# KiCad board SparkFun_Thing_Plus_ESP32-S3_panelized.kicad_pcb (continued)
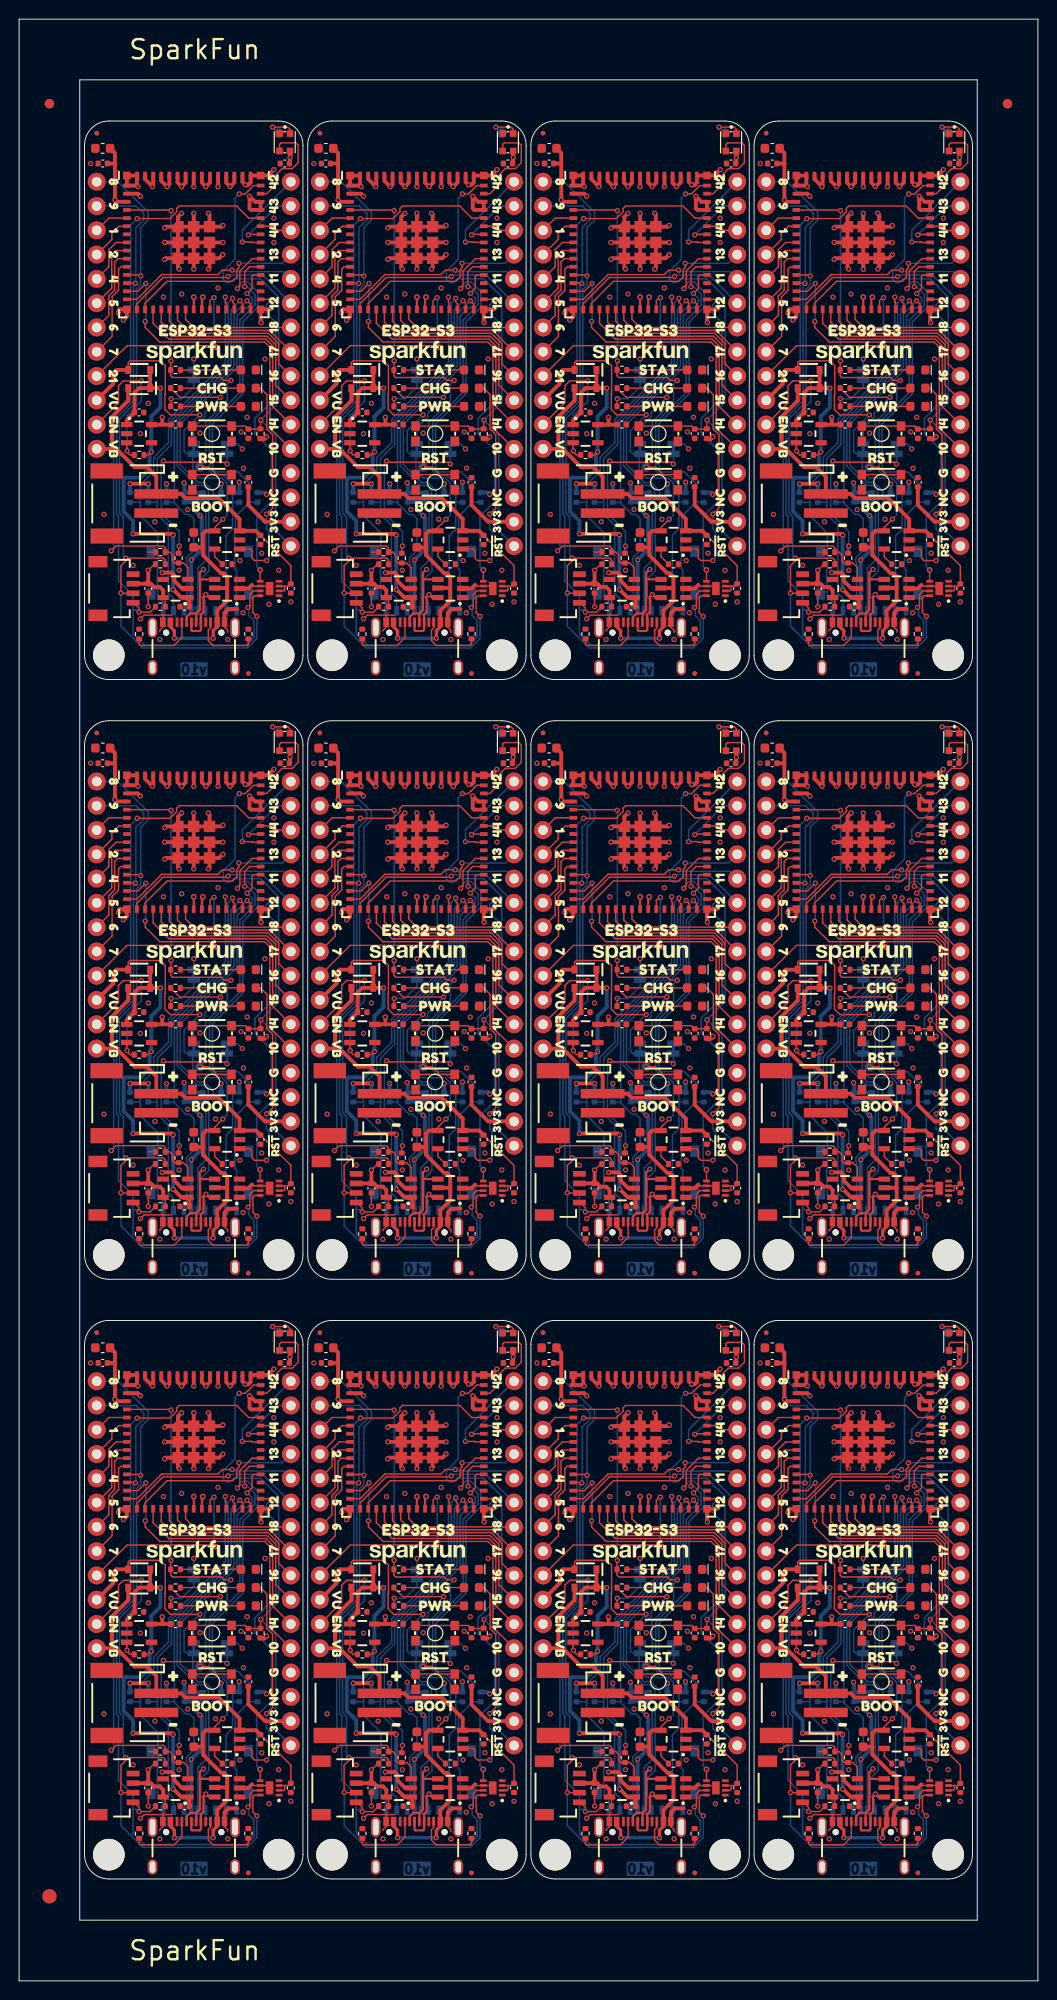
[diagram p0: board, top side]
## Nets (continued)
ESP10/A0: U3.14 U3#2.14 U3#3.14 U3#4.14 U3#5.14 U3#6.14 U3#7.14 U3#8.14 U3#9.14 U3#10.14 U3#11.14 U3#12.14 U10.24 U10#2.24 U10#3.24 U10#4.24 U10#5.24 U10#6.24 U10#7.24 U10#8.24 U10#9.24 U10#10.24 U10#11.24 U10#12.24
ESP11/PICO: U3.15 U3#2.15 U3#3.15 U3#4.15 U3#5.15 U3#6.15 U3#7.15 U3#8.15 U3#9.15 U3#10.15 U3#11.15 U3#12.15 U10.17 U10#2.17 U10#3.17 U10#4.17 U10#5.17 U10#6.17 U10#7.17 U10#8.17 U10#9.17 U10#10.17 U10#11.17 U10#12.17
ESP12/SCK: U3.16 U3#2.16 U3#3.16 U3#4.16 U3#5.16 U3#6.16 U3#7.16 U3#8.16 U3#9.16 U3#10.16 U3#11.16 U3#12.16 U10.18 U10#2.18 U10#3.18 U10#4.18 U10#5.18 U10#6.18 U10#7.18 U10#8.18 U10#9.18 U10#10.18 U10#11.18 U10#12.18
ESP13/POCI: U3.17 U3#2.17 U3#3.17 U3#4.17 U3#5.17 U3#6.17 U3#7.17 U3#8.17 U3#9.17 U3#10.17 U3#11.17 U3#12.17 U10.16 U10#2.16 U10#3.16 U10#4.16 U10#5.16 U10#6.16 U10#7.16 U10#8.16 U10#9.16 U10#10.16 U10#11.16 U10#12.16
ESP14/A1: U3.18 U3#2.18 U3#3.18 U3#4.18 U3#5.18 U3#6.18 U3#7.18 U3#8.18 U3#9.18 U3#10.18 U3#11.18 U3#12.18 U10.23 U10#2.23 U10#3.23 U10#4.23 U10#5.23 U10#6.23 U10#7.23 U10#8.23 U10#9.23 U10#10.23 U10#11.23 U10#12.23
ESP15/A2: U3.19 U3#2.19 U3#3.19 U3#4.19 U3#5.19 U3#6.19 U3#7.19 U3#8.19 U3#9.19 U3#10.19 U3#11.19 U3#12.19 U10.22 U10#2.22 U10#3.22 U10#4.22 U10#5.22 U10#6.22 U10#7.22 U10#8.22 U10#9.22 U10#10.22 U10#11.22 U10#12.22
ESP16/A3: U3.20 U3#2.20 U3#3.20 U3#4.20 U3#5.20 U3#6.20 U3#7.20 U3#8.20 U3#9.20 U3#10.20 U3#11.20 U3#12.20 U10.21 U10#2.21 U10#3.21 U10#4.21 U10#5.21 U10#6.21 U10#7.21 U10#8.21 U10#9.21 U10#10.21 U10#11.21 U10#12.21
ESP17/A4: U3.21 U3#2.21 U3#3.21 U3#4.21 U3#5.21 U3#6.21 U3#7.21 U3#8.21 U3#9.21 U3#10.21 U3#11.21 U3#12.21 U10.20 U10#2.20 U10#3.20 U10#4.20 U10#5.20 U10#6.20 U10#7.20 U10#8.20 U10#9.20 U10#10.20 U10#11.20 U10#12.20
ESP18/A5: U3.22 U3#2.22 U3#3.22 U3#4.22 U3#5.22 U3#6.22 U3#7.22 U3#8.22 U3#9.22 U3#10.22 U3#11.22 U3#12.22 U10.19 U10#2.19 U10#3.19 U10#4.19 U10#5.19 U10#6.19 U10#7.19 U10#8.19 U10#9.19 U10#10.19 U10#11.19 U10#12.19
ESP19/D-: J1.A7 J1.B7 J1#2.A7 J1#2.B7 J1#3.A7 J1#3.B7 J1#4.A7 J1#4.B7 J1#5.A7 J1#5.B7 J1#6.A7 J1#6.B7 J1#7.A7 J1#7.B7 J1#8.A7 J1#8.B7 J1#9.A7 J1#9.B7 J1#10.A7 J1#10.B7 J1#11.A7 J1#11.B7 J1#12.A7 J1#12.B7 U2.4 U2#2.4 U2#3.4 U2#4.4 U2#5.4 U2#6.4 U2#7.4 U2#8.4 U2#9.4 U2#10.4 U2#11.4 U2#12.4 U3.23 U3#2.23 U3#3.23 U3#4.23 U3#5.23 U3#6.23 U3#7.23 U3#8.23 U3#9.23 U3#10.23 U3#11.23 U3#12.23
ESP20/D+: J1.A6 J1.B6 J1#2.A6 J1#2.B6 J1#3.A6 J1#3.B6 J1#4.A6 J1#4.B6 J1#5.A6 J1#5.B6 J1#6.A6 J1#6.B6 J1#7.A6 J1#7.B6 J1#8.A6 J1#8.B6 J1#9.A6 J1#9.B6 J1#10.A6 J1#10.B6 J1#11.A6 J1#11.B6 J1#12.A6 J1#12.B6 U2.6 U2#2.6 U2#3.6 U2#4.6 U2#5.6 U2#6.6 U2#7.6 U2#8.6 U2#9.6 U2#10.6 U2#11.6 U2#12.6 U3.24 U3#2.24 U3#3.24 U3#4.24 U3#5.24 U3#6.24 U3#7.24 U3#8.24 U3#9.24 U3#10.24 U3#11.24 U3#12.24
ESP21: U3.25 U3#2.25 U3#3.25 U3#4.25 U3#5.25 U3#6.25 U3#7.25 U3#8.25 U3#9.25 U3#10.25 U3#11.25 U3#12.25 U10.9 U10#2.9 U10#3.9 U10#4.9 U10#5.9 U10#6.9 U10#7.9 U10#8.9 U10#9.9 U10#10.9 U10#11.9 U10#12.9
ESP33/SDIO3: J2.2 J2#2.2 J2#3.2 J2#4.2 J2#5.2 J2#6.2 J2#7.2 J2#8.2 J2#9.2 J2#10.2 J2#11.2 J2#12.2 R6.2 R6#2.2 R6#3.2 R6#4.2 R6#5.2 R6#6.2 R6#7.2 R6#8.2 R6#9.2 R6#10.2 R6#11.2 R6#12.2 U3.28 U3#2.28 U3#3.28 U3#4.28 U3#5.28 U3#6.28 U3#7.28 U3#8.28 U3#9.28 U3#10.28 U3#11.28 U3#12.28
ESP34/SDIO_CMD: J2.3 J2#2.3 J2#3.3 J2#4.3 J2#5.3 J2#6.3 J2#7.3 J2#8.3 J2#9.3 J2#10.3 J2#11.3 J2#12.3 R1.2 R1#2.2 R1#3.2 R1#4.2 R1#5.2 R1#6.2 R1#7.2 R1#8.2 R1#9.2 R1#10.2 R1#11.2 R1#12.2 U3.29 U3#2.29 U3#3.29 U3#4.29 U3#5.29 U3#6.29 U3#7.29 U3#8.29 U3#9.29 U3#10.29 U3#11.29 U3#12.29
ESP35/~{ALRT}: U3.31 U3#2.31 U3#3.31 U3#4.31 U3#5.31 U3#6.31 U3#7.31 U3#8.31 U3#9.31 U3#10.31 U3#11.31 U3#12.31 U4.5 U4#2.5 U4#3.5 U4#4.5 U4#5.5 U4#6.5 U4#7.5 U4#8.5 U4#9.5 U4#10.5 U4#11.5 U4#12.5
ESP38/SDIO_CLK: J2.5 J2#2.5 J2#3.5 J2#4.5 J2#5.5 J2#6.5 J2#7.5 J2#8.5 J2#9.5 J2#10.5 J2#11.5 J2#12.5 R2.2 R2#2.2 R2#3.2 R2#4.2 R2#5.2 R2#6.2 R2#7.2 R2#8.2 R2#9.2 R2#10.2 R2#11.2 R2#12.2 U3.34 U3#2.34 U3#3.34 U3#4.34 U3#5.34 U3#6.34 U3#7.34 U3#8.34 U3#9.34 U3#10.34 U3#11.34 U3#12.34
ESP39/SDIO0: J2.7 J2#2.7 J2#3.7 J2#4.7 J2#5.7 J2#6.7 J2#7.7 J2#8.7 J2#9.7 J2#10.7 J2#11.7 J2#12.7 R3.2 R3#2.2 R3#3.2 R3#4.2 R3#5.2 R3#6.2 R3#7.2 R3#8.2 R3#9.2 R3#10.2 R3#11.2 R3#12.2 U3.35 U3#2.35 U3#3.35 U3#4.35 U3#5.35 U3#6.35 U3#7.35 U3#8.35 U3#9.35 U3#10.35 U3#11.35 U3#12.35
ESP40/SDIO1: J2.8 J2#2.8 J2#3.8 J2#4.8 J2#5.8 J2#6.8 J2#7.8 J2#8.8 J2#9.8 J2#10.8 J2#11.8 J2#12.8 R4.2 R4#2.2 R4#3.2 R4#4.2 R4#5.2 R4#6.2 R4#7.2 R4#8.2 R4#9.2 R4#10.2 R4#11.2 R4#12.2 U3.36 U3#2.36 U3#3.36 U3#4.36 U3#5.36 U3#6.36 U3#7.36 U3#8.36 U3#9.36 U3#10.36 U3#11.36 U3#12.36
ESP41/LP_CTL: U3.37 U3#2.37 U3#3.37 U3#4.37 U3#5.37 U3#6.37 U3#7.37 U3#8.37 U3#9.37 U3#10.37 U3#11.37 U3#12.37
ESP42/FREE: U3.38 U3#2.38 U3#3.38 U3#4.38 U3#5.38 U3#6.38 U3#7.38 U3#8.38 U3#9.38 U3#10.38 U3#11.38 U3#12.38 U10.13 U10#2.13 U10#3.13 U10#4.13 U10#5.13 U10#6.13 U10#7.13 U10#8.13 U10#9.13 U10#10.13 U10#11.13 U10#12.13
ESP43/TXO: U3.39 U3#2.39 U3#3.39 U3#4.39 U3#5.39 U3#6.39 U3#7.39 U3#8.39 U3#9.39 U3#10.39 U3#11.39 U3#12.39 U10.14 U10#2.14 U10#3.14 U10#4.14 U10#5.14 U10#6.14 U10#7.14 U10#8.14 U10#9.14 U10#10.14 U10#11.14 U10#12.14
ESP44/RXI: U3.40 U3#2.40 U3#3.40 U3#4.40 U3#5.40 U3#6.40 U3#7.40 U3#8.40 U3#9.40 U3#10.40 U3#11.40 U3#12.40 U10.15 U10#2.15 U10#3.15 U10#4.15 U10#5.15 U10#6.15 U10#7.15 U10#8.15 U10#9.15 U10#10.15 U10#11.15 U10#12.15
ESP45/Q_EN: R17.2 R17#2.2 R17#3.2 R17#4.2 R17#5.2 R17#6.2 R17#7.2 R17#8.2 R17#9.2 R17#10.2 R17#11.2 R17#12.2 R19.1 R19#2.1 R19#3.1 R19#4.1 R19#5.1 R19#6.1 R19#7.1 R19#8.1 R19#9.1 R19#10.1 R19#11.1 R19#12.1 U1.3 U1#2.3 U1#3.3 U1#4.3 U1#5.3 U1#6.3 U1#7.3 U1#8.3 U1#9.3 U1#10.3 U1#11.3 U1#12.3 U3.41 U3#2.41 U3#3.41 U3#4.41 U3#5.41 U3#6.41 U3#7.41 U3#8.41 U3#9.41 U3#10.41 U3#11.41 U3#12.41
ESP46/LED: D6.3 D6#2.3 D6#3.3 D6#4.3 D6#5.3 D6#6.3 D6#7.3 D6#8.3 D6#9.3 D6#10.3 D6#11.3 D6#12.3 U3.44 U3#2.44 U3#3.44 U3#4.44 U3#5.44 U3#6.44 U3#7.44 U3#8.44 U3#9.44 U3#10.44 U3#11.44 U3#12.44
ESP47/SDIO2: J2.1 J2#2.1 J2#3.1 J2#4.1 J2#5.1 J2#6.1 J2#7.1 J2#8.1 J2#9.1 J2#10.1 J2#11.1 J2#12.1 R5.2 R5#2.2 R5#3.2 R5#4.2 R5#5.2 R5#6.2 R5#7.2 R5#8.2 R5#9.2 R5#10.2 R5#11.2 R5#12.2 U3.27 U3#2.27 U3#3.27 U3#4.27 U3#5.27 U3#6.27 U3#7.27 U3#8.27 U3#9.27 U3#10.27 U3#11.27 U3#12.27
ESP48/SDIO_~{DET}: J2.9 J2#2.9 J2#3.9 J2#4.9 J2#5.9 J2#6.9 J2#7.9 J2#8.9 J2#9.9 J2#10.9 J2#11.9 J2#12.9 U3.30 U3#2.30 U3#3.30 U3#4.30 U3#5.30 U3#6.30 U3#7.30 U3#8.30 U3#9.30 U3#10.30 U3#11.30 U3#12.30
ESP~{RST}: C6.1 C6#2.1 C6#3.1 C6#4.1 C6#5.1 C6#6.1 C6#7.1 C6#8.1 C6#9.1 C6#10.1 C6#11.1 C6#12.1 R8.2 R8#2.2 R8#3.2 R8#4.2 R8#5.2 R8#6.2 R8#7.2 R8#8.2 R8#9.2 R8#10.2 R8#11.2 R8#12.2 SW2.1 SW2#2.1 SW2#3.1 SW2#4.1 SW2#5.1 SW2#6.1 SW2#7.1 SW2#8.1 SW2#9.1 SW2#10.1 SW2#11.1 SW2#12.1 U3.45 U3#2.45 U3#3.45 U3#4.45 U3#5.45 U3#6.45 U3#7.45 U3#8.45 U3#9.45 U3#10.45 U3#11.45 U3#12.45 U10.28 U10#2.28 U10#3.28 U10#4.28 U10#5.28 U10#6.28 U10#7.28 U10#8.28 U10#9.28 U10#10.28 U10#11.28 U10#12.28
VUSB: C9.1 C9#2.1 C9#3.1 C9#4.1 C9#5.1 C9#6.1 C9#7.1 C9#8.1 C9#9.1 C9#10.1 C9#11.1 C9#12.1 D2.A D2#2.A D2#3.A D2#4.A D2#5.A D2#6.A D2#7.A D2#8.A D2#9.A D2#10.A D2#11.A D2#12.A J1.VBUS J1#2.VBUS J1#3.VBUS J1#4.VBUS J1#5.VBUS J1#6.VBUS J1#7.VBUS J1#8.VBUS J1#9.VBUS J1#10.VBUS J1#11.VBUS J1#12.VBUS JP3.2 JP3#2.2 JP3#3.2 JP3#4.2 JP3#5.2 JP3#6.2 JP3#7.2 JP3#8.2 JP3#9.2 JP3#10.2 JP3#11.2 JP3#12.2 U2.5 U2#2.5 U2#3.5 U2#4.5 U2#5.5 U2#6.5 U2#7.5 U2#8.5 U2#9.5 U2#10.5 U2#11.5 U2#12.5 U5.4 U5#2.4 U5#3.4 U5#4.4 U5#5.4 U5#6.4 U5#7.4 U5#8.4 U5#9.4 U5#10.4 U5#11.4 U5#12.4 U10.10 U10#2.10 U10#3.10 U10#4.10 U10#5.10 U10#6.10 U10#7.10 U10#8.10 U10#9.10 U10#10.10 U10#11.10 U10#12.10
Net-(D1-A): D1.2 D1#2.2 D1#3.2 D1#4.2 D1#5.2 D1#6.2 D1#7.2 D1#8.2 D1#9.2 D1#10.2 D1#11.2 D1#12.2 R7.2 R7#2.2 R7#3.2 R7#4.2 R7#5.2 R7#6.2 R7#7.2 R7#8.2 R7#9.2 R7#10.2 R7#11.2 R7#12.2
Net-(D4-A): D4.2 D4#2.2 D4#3.2 D4#4.2 D4#5.2 D4#6.2 D4#7.2 D4#8.2 D4#9.2 D4#10.2 D4#11.2 D4#12.2 R14.1 R14#2.1 R14#3.1 R14#4.1 R14#5.1 R14#6.1 R14#7.1 R14#8.1 R14#9.1 R14#10.1 R14#11.1 R14#12.1
Net-(D4-K): D4.1 D4#2.1 D4#3.1 D4#4.1 D4#5.1 D4#6.1 D4#7.1 D4#8.1 D4#9.1 D4#10.1 D4#11.1 D4#12.1 U5.1 U5#2.1 U5#3.1 U5#4.1 U5#5.1 U5#6.1 U5#7.1 U5#8.1 U5#9.1 U5#10.1 U5#11.1 U5#12.1
Net-(D5-A): D5.2 D5#2.2 D5#3.2 D5#4.2 D5#5.2 D5#6.2 D5#7.2 D5#8.2 D5#9.2 D5#10.2 D5#11.2 D5#12.2 R9.2 R9#2.2 R9#3.2 R9#4.2 R9#5.2 R9#6.2 R9#7.2 R9#8.2 R9#9.2 R9#10.2 R9#11.2 R9#12.2
Net-(D6-DOUT): D6.1 D6#2.1 D6#3.1 D6#4.1 D6#5.1 D6#6.1 D6#7.1 D6#8.1 D6#9.1 D6#10.1 D6#11.1 D6#12.1 TP1.1 TP1#2.1 TP1#3.1 TP1#4.1 TP1#5.1 TP1#6.1 TP1#7.1 TP1#8.1 TP1#9.1 TP1#10.1 TP1#11.1 TP1#12.1
Net-(J1-CC1): J1.A5 J1#2.A5 J1#3.A5 J1#4.A5 J1#5.A5 J1#6.A5 J1#7.A5 J1#8.A5 J1#9.A5 J1#10.A5 J1#11.A5 J1#12.A5 R11.1 R11#2.1 R11#3.1 R11#4.1 R11#5.1 R11#6.1 R11#7.1 R11#8.1 R11#9.1 R11#10.1 R11#11.1 R11#12.1
Net-(J1-CC2): J1.B5 J1#2.B5 J1#3.B5 J1#4.B5 J1#5.B5 J1#6.B5 J1#7.B5 J1#8.B5 J1#9.B5 J1#10.B5 J1#11.B5 J1#12.B5 R10.2 R10#2.2 R10#3.2 R10#4.2 R10#5.2 R10#6.2 R10#7.2 R10#8.2 R10#9.2 R10#10.2 R10#11.2 R10#12.2
Net-(JP1-A): JP1.1 JP1#2.1 JP1#3.1 JP1#4.1 JP1#5.1 JP1#6.1 JP1#7.1 JP1#8.1 JP1#9.1 JP1#10.1 JP1#11.1 JP1#12.1 R9.1 R9#2.1 R9#3.1 R9#4.1 R9#5.1 R9#6.1 R9#7.1 R9#8.1 R9#9.1 R9#10.1 R9#11.1 R9#12.1
Net-(JP2-A): JP2.1 JP2#2.1 JP2#3.1 JP2#4.1 JP2#5.1 JP2#6.1 JP2#7.1 JP2#8.1 JP2#9.1 JP2#10.1 JP2#11.1 JP2#12.1 R17.1 R17#2.1 R17#3.1 R17#4.1 R17#5.1 R17#6.1 R17#7.1 R17#8.1 R17#9.1 R17#10.1 R17#11.1 R17#12.1
Net-(JP3-A): JP3.1 JP3#2.1 JP3#3.1 JP3#4.1 JP3#5.1 JP3#6.1 JP3#7.1 JP3#8.1 JP3#9.1 JP3#10.1 JP3#11.1 JP3#12.1 R14.2 R14#2.2 R14#3.2 R14#4.2 R14#5.2 R14#6.2 R14#7.2 R14#8.2 R14#9.2 R14#10.2 R14#11.2 R14#12.2
Net-(U5-PROG): R16.1 R16#2.1 R16#3.1 R16#4.1 R16#5.1 R16#6.1 R16#7.1 R16#8.1 R16#9.1 R16#10.1 R16#11.1 R16#12.1 U5.5 U5#2.5 U5#3.5 U5#4.5 U5#5.5 U5#6.5 U5#7.5 U5#8.5 U5#9.5 U5#10.5 U5#11.5 U5#12.5

Pads without a net: J1 A8 B8 NC1 NC2 NC3; J1#2 A8 B8 NC1 NC2 NC3; J1#3 A8 B8 NC1 NC2 NC3; J1#4 A8 B8 NC1 NC2 NC3; J1#5 A8 B8 NC1 NC2 NC3; J1#6 A8 B8 NC1 NC2 NC3; J1#7 A8 B8 NC1 NC2 NC3; J1#8 A8 B8 NC1 NC2 NC3; J1#9 A8 B8 NC1 NC2 NC3; J1#10 A8 B8 NC1 NC2 NC3; J1#11 A8 B8 NC1 NC2 NC3; J1#12 A8 B8 NC1 NC2 NC3; J3 NC1 NC2; J3#2 NC1 NC2; J3#3 NC1 NC2; J3#4 NC1 NC2; J3#5 NC1 NC2; J3#6 NC1 NC2; J3#7 NC1 NC2; J3#8 NC1 NC2; J3#9 NC1 NC2; J3#10 NC1 NC2; J3#11 NC1 NC2; J3#12 NC1 NC2; J4 NC1 NC2; J4#2 NC1 NC2; J4#3 NC1 NC2; J4#4 NC1 NC2; J4#5 NC1 NC2; J4#6 NC1 NC2; J4#7 NC1 NC2; J4#8 NC1 NC2; J4#9 NC1 NC2; J4#10 NC1 NC2; J4#11 NC1 NC2; J4#12 NC1 NC2; U1 4; U1#2 4; U1#3 4; U1#4 4; U1#5 4; U1#6 4; U1#7 4; U1#8 4; U1#9 4; U1#10 4; U1#11 4; U1#12 4; U2 1 3; U2#2 1 3; U2#3 1 3; U2#4 1 3; U2#5 1 3; U2#6 1 3; U2#7 1 3; U2#8 1 3; U2#9 1 3; U2#10 1 3; U2#11 1 3; U2#12 1 3; U3 7 26 32 33; U3#2 7 26 32 33; U3#3 7 26 32 33; U3#4 7 26 32 33; U3#5 7 26 32 33; U3#6 7 26 32 33; U3#7 7 26 32 33; U3#8 7 26 32 33; U3#9 7 26 32 33; U3#10 7 26 32 33; U3#11 7 26 32 33; U3#12 7 26 32 33; U6 4; U6#2 4; U6#3 4; U6#4 4; U6#5 4; U6#6 4; U6#7 4; U6#8 4; U6#9 4; U6#10 4; U6#11 4; U6#12 4; U10 26; U10#2 26; U10#3 26; U10#4 26; U10#5 26; U10#6 26; U10#7 26; U10#8 26; U10#9 26; U10#10 26; U10#11 26; U10#12 26

## Via types
v1: diameter 0.56, hole 0.3, Top to Bottom, 1500 vias
v2: diameter 0.61, hole 0.305, Top to Bottom, 60 vias

## Routing (per net, layer and track width the routed paths; a pad name or vN(x,y) marks a point on that pad's centre or on a via; arc(x,y) is an arc through that point)
3.3V: length 256.4
  Top w0.406: U3#6.3 80.3,123.36 v1(80.1,123.56) 80.1,127.37 ; C11#3.1 24,154.38 25.74,152.63 U10#4.27 ; 10.03,64.64 v1(10.03,60.83) 10.22,60.63 U3#12.3 ; 10.03,64.64 C7#12.1 ; 10.03,64.64 10.03,65.73 C1#12.2 ; 61.7,162.79 v1(61.7,163.55) ; 61.7,162.79 U6#7.5 ; 61.7,162.79 62.61,162.79 C13#8.1 ; U6#12.5 14.98,37.33 ; 14.98,37.33 v1(14.98,38.09) ; 14.98,37.33 15.89,37.33 C13#12.1 ; C11#11.1 94.07,28.92 95.82,27.17 U10#10.27 ; R8#8.1 49.07,98.6 ; 49.07,98.6 48.99,98.52 ; 49.07,98.6 v1(49.26,98.79) ; 25.71,161.33 v1(25.9,161.52) ; 25.71,161.33 R8#11.1 ; 25.71,161.33 25.63,161.25 ; 39.25,37.33 39.25,37.33 38.34,37.33 ; 33.38,127.37 v1(33.38,123.56) 33.58,123.36 U3#11.3 ; 33.38,127.37 C7#2.1 ; 33.38,127.37 33.38,128.46 C1#5.2 ; 56.75,64.64 v1(56.75,60.83) 56.94,60.63 U3#3.3 ; 56.75,64.64 C7.1 ; 56.75,64.64 56.75,65.73 C1#6.2 ; 48.99,161.25 49.07,161.33 ; 49.07,161.33 R8#6.1 ; 49.07,161.33 v1(49.26,161.52) ; 80.1,190.09 v1(80.1,186.28) 80.3,186.09 U3#9.3 ; 80.1,190.09 80.1,191.19 C1#11.2 ; 80.1,190.09 C7#4.1 ; 95.71,161.25 95.79,161.33 ; 95.79,161.33 R8#10.1 ; 95.79,161.33 v1(95.98,161.52) ; R8.1 25.71,35.87 ; 25.71,35.87 v1(25.9,36.06) ; 25.71,35.87 25.63,35.79 ; 38.34,100.06 v1(38.34,100.82) ; 38.34,100.06 39.25,100.06 39.25,100.06 ; 38.34,100.06 U6#4.5 ; 85.06,100.06 v1(85.06,100.82) ; 85.06,100.06 U6#9.5 ; 85.06,100.06 85.97,100.06 85.97,100.06 ; 25.63,98.52 25.71,98.6 ; 25.71,98.6 v1(25.9,98.79) ; 25.71,98.6 R8#4.1 ; C11#10.1 70.72,28.92 72.46,27.17 U10#7.27 ; C1#2.2 80.1,65.73 80.1,64.64 ; C11#7.1 70.72,154.38 72.46,152.63 U10#2.27 ; U3#10.3 33.58,60.63 v1(33.38,60.83) 33.38,64.64 ; C7#11.1 33.38,64.64 ; 33.38,64.64 33.38,65.73 C1#7.2 ; C13.1 15.89,162.79 14.98,162.79 ; 95.79,98.6 v1(95.98,98.79) ; 95.79,98.6 95.71,98.52 ; 95.79,98.6 R8#12.1 ; 14.98,100.06 15.89,100.06 C13#10.1 ; 14.98,100.06 v1(14.98,100.82) ; 14.98,100.06 U6.5 ; 48.99,35.79 49.07,35.87 ; 49.07,35.87 R8#3.1 ; 49.07,35.87 v1(49.26,36.06) ; U3#7.3 56.94,123.36 v1(56.75,123.56) 56.75,127.37 ; 85.06,162.79 85.97,162.79 85.97,162.79 ; 85.06,162.79 U6#11.5 ; 85.06,162.79 v1(85.06,163.55) ; 56.75,127.37 C7#3.1 ; 56.75,127.37 56.75,128.46 C1.2 ; U10#9.27 95.82,152.63 94.07,154.38 C11#9.1 ; 10.03,190.09 10.03,191.19 C1#4.2 ; 10.03,190.09 v1(10.03,186.28) 10.22,186.09 U3#2.3 ; 10.03,190.09 C7#10.1 ; C7#8.1 80.1,64.64 ; 80.1,64.64 v1(80.1,60.83) 80.3,60.63 U3.3 ; U6#8.5 85.06,37.33 ; 85.06,37.33 v1(85.06,38.09) ; 85.06,37.33 85.97,37.33 85.97,37.33 ; U10.27 25.74,89.9 24,91.65 C11#2.1 ; 61.7,37.33 62.61,37.33 C13#2.1 ; 61.7,37.33 v1(61.7,38.09) ; 61.7,37.33 U6#5.5 ; U10#3.27 49.1,27.17 47.35,28.92 C11#4.1 ; 80.1,127.37 C7#6.1 ; 80.1,127.37 80.1,128.46 C1#10.2 ; C7#7.1 56.75,190.09 ; 56.75,190.09 v1(56.75,186.28) 56.94,186.09 U3#8.3 ; 56.75,190.09 56.75,191.19 C1#9.2 ; R8#2.1 72.43,161.33 ; 72.43,161.33 72.35,161.25 ; 72.43,161.33 v1(72.62,161.52) ; C7#9.1 10.03,127.37 ; 10.03,127.37 v1(10.03,123.56) 10.22,123.36 U3#5.3 ; 10.03,127.37 10.03,128.46 C1#8.2 ; 14.98,162.79 v1(14.98,163.55) ; 14.98,162.79 U6#2.5 ; 61.7,100.06 v1(61.7,100.82) ; 61.7,100.06 U6#6.5 ; 61.7,100.06 62.61,100.06 C13#3.1 ; U10#11.27 95.82,89.9 94.07,91.65 C11#8.1 ; 95.79,35.87 v1(95.98,36.06) ; 95.79,35.87 95.71,35.79 ; 95.79,35.87 R8#5.1 ; 72.35,35.79 72.43,35.87 ; 72.43,35.87 R8#9.1 ; 72.43,35.87 v1(72.62,36.06) ; C11#12.1 24,28.92 25.74,27.17 U10#12.27 ; 72.43,98.6 v1(72.62,98.79) ; 72.43,98.6 72.35,98.52 ; 72.43,98.6 R8#7.1 ; 33.38,190.09 v1(33.38,186.28) 33.58,186.09 U3#4.3 ; 33.38,190.09 C7#5.1 ; 33.38,190.09 33.38,191.19 C1#3.2 ; 38.34,37.33 v1(38.34,38.09) ; 38.34,37.33 U6#3.5 ; 38.34,162.79 39.25,162.79 39.25,162.79 ; 38.34,162.79 U6#10.5 ; 38.34,162.79 v1(38.34,163.55) ; U10#8.27 72.46,89.9 70.72,91.65 C11#6.1 ; C11.1 47.35,91.65 49.1,89.9 U10#5.27 ; C11#5.1 47.35,154.38 49.1,152.63 U10#6.27
  Bottom w0.152: 65,105.78 v1(65,106.92) ; v1(46.72,160.25) 46.2,160.77 JP2#7.2 ; 18.28,105.78 v1(18.28,106.92) ; v1(93.44,160.25) 92.92,160.77 JP2#11.2 ; 41.64,105.78 v1(41.64,106.92) ; v1(70.08,160.25) 69.56,160.77 JP2#8.2 ; JP2#5.2 92.92,98.04 v1(93.44,97.52) ; JP2#6.2 69.56,35.31 v1(70.08,34.79) ; v1(70.08,97.52) 69.56,98.04 JP2#9.2 ; v1(23.36,97.52) 22.84,98.04 JP2#4.2 ; JP1#4.2 v1(41.64,44.19) ; JP1.2 v1(18.28,169.65) ; JP1#8.2 v1(88.36,169.65) ; JP1#12.2 v1(18.28,44.19) ; v1(46.72,34.79) 46.2,35.31 JP2#3.2 ; JP1#9.2 v1(88.36,44.19) ; JP1#7.2 v1(65,169.65) ; v1(46.72,97.52) 46.2,98.04 JP2.2 ; JP2#10.2 92.92,35.31 v1(93.44,34.79) ; JP1#10.2 v1(41.64,169.65) ; v1(23.36,34.79) 22.84,35.31 JP2#12.2 ; JP2#2.2 22.84,160.77 v1(23.36,160.25) ; JP1#5.2 v1(65,44.19) ; 88.36,105.78 v1(88.36,106.92)
3.3V_P: length 1071.9
  Top w0.152: U1#7.5 38.66,144.47 R12#7.1 ; 14.15,148.19 v1(13.52,147.55) ; R12#8.1 85.38,144.47 U1#5.5 ; U1#6.5 62.02,19.01 R12#5.1 ; 84.23,22.72 v1(83.6,22.09) ; 84.23,85.45 v1(83.6,84.82) ; U1#10.5 38.66,81.74 R12#3.1 ; U1#8.5 85.38,19.01 R12#2.1 ; U1.5 15.3,144.47 R12.1 ; 14.15,85.45 v1(13.52,84.82) ; 14.15,22.72 v1(13.52,22.09) ; 60.87,22.72 v1(60.24,22.09) ; 37.51,85.45 v1(36.88,84.82) ; 84.23,148.19 v1(83.6,147.55) ; 60.87,85.45 v1(60.24,84.82) ; U1#4.5 62.02,144.47 R12#6.1 ; U1#9.5 62.02,81.74 R12#11.1 ; R12#10.1 38.66,19.01 U1#2.5 ; U1#12.5 15.3,19.01 R12#12.1 ; 37.51,148.19 v1(36.88,147.55) ; R12#9.1 15.3,81.74 U1#3.5 ; U1#11.5 85.38,81.74 R12#4.1 ; 60.87,148.19 v1(60.24,147.55) ; 37.51,22.72 v1(36.88,22.09)
  Top w0.406: U1#5.5 85.15,145.46 84.81,145.8 84.21,145.8 83.89,146.12 C3#10.1 ; v1(13.52,22.09) 13.52,20.96 13.24,20.69 J4#12.2 ; J4#5.2 13.24,83.42 13.52,83.69 v1(13.52,84.82) ; v1(60.24,147.55) 60.24,146.42 59.96,146.15 J4#9.2 ; v1(83.6,84.82) 83.6,83.69 83.32,83.42 J4#10.2 ; v1(34.97,93.87) v1(36.88,93.87) ; D6.4 28.36,190.16 C8#7.1 ; C3#7.1 60.53,146.12 60.85,145.8 61.45,145.8 61.79,145.46 U1#4.5 ; C3#11.1 60.53,83.39 60.85,83.07 61.45,83.07 61.79,82.73 U1#9.5 ; J4#11.2 83.32,20.69 83.6,20.96 v1(83.6,22.09) ; C3#12.1 13.81,20.66 14.13,20.34 14.73,20.34 15.07,20 U1#12.5 ; C3#9.1 37.17,146.12 37.49,145.8 38.09,145.8 38.43,145.46 U1#7.5 ; C3#5.1 13.81,83.39 14.13,83.07 14.73,83.07 15.07,82.73 U1#3.5 ; U1#8.5 85.15,20 84.81,20.34 84.21,20.34 83.89,20.66 C3#8.1 ; v1(36.88,147.55) 36.88,146.42 36.6,146.15 J4#7.2 ; 98.37,64.64 98.44,64.7 D6#9.4 ; v1(60.24,84.82) 60.24,83.69 59.96,83.42 J4#3.2 ; v1(81.69,93.87) v1(83.6,93.87) ; C3#6.1 83.89,83.39 84.21,83.07 84.81,83.07 85.15,82.73 U1#11.5 ; v1(36.88,22.09) 36.88,20.96 36.6,20.69 J4#6.2 ; v1(11.61,156.6) v1(13.52,156.6) ; U1.5 15.07,145.46 14.73,145.8 14.13,145.8 13.81,146.12 C3#2.1 ; v1(83.6,147.55) 83.6,146.42 83.32,146.15 J4#4.2 ; v1(58.33,31.14) v1(60.24,31.14) ; v1(13.52,147.55) 13.52,146.42 13.24,146.15 J4.2 ; C8#12.1 28.36,64.7 D6#12.4 ; v1(36.88,84.82) 36.88,83.69 36.6,83.42 J4#2.2 ; 75.07,65.94 75.07,64.7 C8#5.1 ; U1#6.5 61.79,20 61.45,20.34 60.85,20.34 60.53,20.66 C3#4.1 ; D6#11.4 98.44,190.16 98.37,190.09 ; D6#5.4 51.72,64.7 51.65,64.64 ; 75.07,191.4 75.07,190.16 C8#2.1 ; v1(81.69,31.14) v1(83.6,31.14) ; J4#8.2 59.96,20.69 60.24,20.96 v1(60.24,22.09) ; v1(11.61,31.14) v1(13.52,31.14) ; 98.37,127.37 98.44,127.44 D6#10.4 ; U1#10.5 38.43,82.73 38.09,83.07 37.49,83.07 37.17,83.39 C3#3.1 ; 75.07,128.67 75.07,127.44 C8#4.1 ; C8#6.1 28.36,127.44 D6#6.4 ; v1(58.33,93.87) v1(60.24,93.87) ; D6#3.4 51.72,127.44 51.65,127.37 ; v1(11.61,93.87) v1(13.52,93.87) ; v1(34.97,156.6) v1(36.88,156.6) ; D6#7.4 51.72,190.16 51.65,190.09 ; v1(34.97,31.14) v1(36.88,31.14) ; v1(58.33,156.6) v1(60.24,156.6) ; U1#2.5 38.43,20 38.09,20.34 37.49,20.34 37.17,20.66 C3.1 ; v1(81.69,156.6) v1(83.6,156.6)
  In1.Cu - GND w0.406: v1(23.04,94.03) 22.88,93.87 v1(21.14,93.87) ; v1(44.5,31.14) 46.24,31.14 v1(46.4,31.3) ; v1(69.76,31.3) 69.6,31.14 v1(67.86,31.14) ; v1(46.4,94.03) 46.24,93.87 v1(44.5,93.87) ; v1(93.12,156.76) 92.96,156.6 v1(91.22,156.6) ; v1(67.86,93.87) 69.6,93.87 v1(69.76,94.03) ; v1(93.12,31.3) 92.96,31.14 v1(91.22,31.14) ; v1(91.22,93.87) 92.96,93.87 v1(93.12,94.03) ; v1(23.04,31.3) 22.88,31.14 v1(21.14,31.14) ; v1(23.04,156.76) 22.88,156.6 v1(21.14,156.6) ; v1(69.76,156.76) 69.6,156.6 v1(67.86,156.6) ; v1(46.4,156.76) 46.24,156.6 v1(44.5,156.6)
  In2.Cu -3V3 w0.406: v1(98.44,65.27) 98.44,64.79 94.84,61.2 94.84,48.4 94.71,48.28 94.71,31.3 ; 94.71,94.03 v1(95.98,92.76) ; 94.71,94.03 94.71,111.01 94.84,111.13 94.84,123.93 98.44,127.52 v1(98.44,128) ; 94.71,94.03 v1(93.12,94.03) ; v1(60.24,84.82) 61.32,85.9 v1(64.74,85.9) ; v1(23.04,94.03) 24.63,94.03 ; v1(51.72,190.73) 51.72,190.25 48.12,186.66 48.12,173.86 47.99,173.74 47.99,156.76 ; v1(13.52,93.87) v1(15.42,93.87) 15.42,91.17 16.38,90.22 18.62,90.22 v1(18.94,90.53) 18.94,90.56 21.14,92.76 v1(21.14,93.87) ; v1(28.36,190.73) 28.36,190.25 24.76,186.66 24.76,173.86 24.63,173.74 24.63,156.76 ; 71.35,156.76 v1(69.76,156.76) ; 71.35,156.76 71.35,173.74 71.48,173.86 71.48,186.66 75.07,190.25 v1(75.07,190.73) ; 71.35,156.76 v1(72.62,155.49) ; v1(36.88,156.6) v1(38.78,156.6) 38.78,153.9 39.74,152.95 41.98,152.95 v1(42.3,153.27) 42.3,153.29 44.5,155.49 v1(44.5,156.6) ; v1(21.14,31.14) 21.14,30.03 18.94,27.83 v1(18.94,27.81) 18.62,27.49 16.38,27.49 15.42,28.44 v1(15.42,31.14) v1(13.52,31.14) ; v1(91.22,93.87) 91.22,92.76 89.02,90.56 v1(89.02,90.53) 88.7,90.22 86.46,90.22 85.5,91.17 v1(85.5,93.87) v1(83.6,93.87) ; v1(18.02,23.17) 14.6,23.17 v1(13.52,22.09) ; v1(67.86,156.6) 67.86,155.49 65.66,153.29 v1(65.66,153.27) 65.34,152.95 63.09,152.95 62.14,153.9 v1(62.14,156.6) v1(60.24,156.6) ; v1(83.6,84.82) 84.68,85.9 v1(88.09,85.9) ; 47.99,31.3 47.99,48.28 48.12,48.4 48.12,61.2 51.72,64.79 v1(51.72,65.27) ; 47.99,31.3 v1(46.4,31.3) ; 47.99,31.3 v1(49.26,30.03) ; 71.35,94.03 71.35,111.01 71.48,111.13 71.48,123.93 75.07,127.52 v1(75.07,128) ; 71.35,94.03 v1(69.76,94.03) ; 71.35,94.03 v1(72.62,92.76) ; v1(13.52,156.6) v1(15.42,156.6) 15.42,153.9 16.38,152.95 18.62,152.95 v1(18.94,153.27) 18.94,153.29 21.14,155.49 v1(21.14,156.6) ; v1(18.02,85.9) 14.6,85.9 v1(13.52,84.82) ; v1(44.5,93.87) 44.5,92.76 42.3,90.56 v1(42.3,90.53) 41.98,90.22 39.74,90.22 38.78,91.17 v1(38.78,93.87) v1(36.88,93.87) ; v1(75.07,65.27) 75.07,64.79 71.48,61.2 71.48,48.4 71.35,48.28 71.35,31.3 ; v1(51.72,128) 51.72,127.52 48.12,123.93 48.12,111.13 47.99,111.01 47.99,94.03 ; v1(46.4,156.76) 47.99,156.76 ; v1(64.74,23.17) 61.32,23.17 v1(60.24,22.09) ; 94.71,156.76 94.71,173.74 94.84,173.86 94.84,186.66 98.44,190.25 v1(98.44,190.73) ; 94.71,156.76 v1(95.98,155.49) ; 94.71,156.76 v1(93.12,156.76) ; 24.63,31.3 24.63,48.28 24.76,48.4 24.76,61.2 28.36,64.79 v1(28.36,65.27) ; 24.63,31.3 v1(23.04,31.3) ; 24.63,31.3 v1(25.9,30.03) ; v1(36.88,31.14) v1(38.78,31.14) 38.78,28.44 39.74,27.49 41.98,27.49 v1(42.3,27.81) 42.3,27.83 44.5,30.03 v1(44.5,31.14) ; v1(88.09,148.63) 84.68,148.63 v1(83.6,147.55) ; v1(88.09,23.17) 84.68,23.17 v1(83.6,22.09) ; 24.63,94.03 v1(25.9,92.76) ; 24.63,94.03 24.63,111.01 24.76,111.13 24.76,123.93 28.36,127.52 v1(28.36,128) ; 71.35,31.3 v1(72.62,30.03) ; 71.35,31.3 v1(69.76,31.3) ; v1(60.24,31.14) v1(62.14,31.14) 62.14,28.44 63.09,27.49 65.34,27.49 v1(65.66,27.81) 65.66,27.83 67.86,30.03 v1(67.86,31.14) ; 47.99,156.76 v1(49.26,155.49) ; 47.99,94.03 v1(49.26,92.76) ; 47.99,94.03 v1(46.4,94.03) ; v1(67.86,93.87) 67.86,92.76 65.66,90.56 v1(65.66,90.53) 65.34,90.22 63.09,90.22 62.14,91.17 v1(62.14,93.87) v1(60.24,93.87) ; v1(18.02,148.63) 14.6,148.63 v1(13.52,147.55) ; v1(36.88,22.09) 37.96,23.17 v1(41.38,23.17) ; v1(36.88,147.55) 37.96,148.63 v1(41.38,148.63) ; v1(64.74,148.63) 61.32,148.63 v1(60.24,147.55) ; v1(23.04,156.76) 24.63,156.76 ; 94.71,31.3 v1(95.98,30.03) ; 94.71,31.3 v1(93.12,31.3) ; v1(91.22,31.14) 91.22,30.03 89.02,27.83 v1(89.02,27.81) 88.7,27.49 86.46,27.49 85.5,28.44 v1(85.5,31.14) v1(83.6,31.14) ; v1(36.88,84.82) 37.96,85.9 v1(41.38,85.9) ; 24.63,156.76 v1(25.9,155.49) ; v1(91.22,156.6) 91.22,155.49 89.02,153.29 v1(89.02,153.27) 88.7,152.95 86.46,152.95 85.5,153.9 v1(85.5,156.6) v1(83.6,156.6)
  Bottom w0.406: R4#2.1 25.71,92.95 v1(25.9,92.76) ; C5#5.1 18.28,91.96 18.28,91.96 ; J2#4.4 v1(88.09,148.63) ; v1(88.09,148.63) 88.32,148.86 ; v1(88.09,148.63) 89.2,149.73 89.2,153.09 v1(89.02,153.27) 88.36,153.92 88.36,154.69 ; J2#6.4 v1(64.74,148.63) ; v1(64.74,148.63) 64.96,148.86 ; v1(64.74,148.63) 65.84,149.73 65.84,153.09 v1(65.66,153.27) 65,153.92 65,154.69 ; 18.28,29.23 18.28,29.23 C5#12.1 ; 18.28,29.23 18.28,28.46 v1(18.94,27.81) 19.12,27.63 19.12,24.27 v1(18.02,23.17) ; 18.28,29.23 17.33,29.23 C4#12.1 ; J2.4 v1(18.02,85.9) ; v1(18.02,85.9) 18.24,86.13 ; v1(18.02,85.9) 19.12,87 19.12,90.36 v1(18.94,90.53) 18.28,91.19 18.28,91.96 ; R2.1 v1(91.22,31.14) ; v1(18.02,148.63) 19.12,149.73 19.12,153.09 v1(18.94,153.27) 18.28,153.92 18.28,154.69 ; v1(18.02,148.63) 18.24,148.86 ; v1(18.02,148.63) J2#2.4 ; v1(25.9,30.03) 25.71,30.22 R4#12.1 ; R5#10.1 v1(58.33,31.14) ; R5.1 v1(81.69,31.14) ; R6#8.1 v1(83.6,31.14) ; R2#6.1 v1(91.22,93.87) ; R3#11.1 93.12,156.57 ; R5#6.1 v1(58.33,93.87) ; 65,91.96 65,91.96 C5#7.1 ; 65,91.96 65,91.19 v1(65.66,90.53) 65.84,90.36 65.84,87 v1(64.74,85.9) ; 65,91.96 64.05,91.96 C4#8.1 ; 41.64,154.69 41.64,153.92 v1(42.3,153.27) 42.48,153.09 42.48,149.73 v1(41.38,148.63) ; 41.64,154.69 40.69,154.69 C4#3.1 ; 41.64,154.69 41.64,154.69 C5#8.1 ; R3#6.1 46.4,93.84 ; v1(64.74,85.9) 64.96,86.13 ; v1(64.74,85.9) J2#5.4 ; 41.64,91.96 40.69,91.96 C4#7.1 ; 41.64,91.96 41.64,91.96 C5#6.1 ; 41.64,91.96 41.64,91.19 v1(42.3,90.53) 42.48,90.36 42.48,87 v1(41.38,85.9) ; R4#11.1 95.79,155.68 v1(95.98,155.49) ; 88.36,29.23 88.36,28.46 v1(89.02,27.81) 89.2,27.63 89.2,24.27 v1(88.09,23.17) ; 88.36,29.23 87.41,29.23 C4#9.1 ; 88.36,29.23 88.36,29.23 C5#9.1 ; R2#7.1 v1(44.5,31.14) ; 65,154.69 64.05,154.69 C4#5.1 ; 65,154.69 65,154.69 C5#2.1 ; R6#2.1 v1(13.52,156.6) ; C4#6.1 17.33,154.69 18.28,154.69 ; v1(49.26,30.03) 49.07,30.22 R4#3.1 ; R6#9.1 v1(83.6,93.87) ; R1#3.1 v1(38.78,31.14) ; R1#11.1 v1(85.5,93.87) ; C4#2.1 40.69,29.23 41.64,29.23 ; R6#5.1 v1(36.88,156.6) ; R3#8.1 93.12,31.11 ; J2#10.4 v1(41.38,85.9) ; v1(41.38,85.9) 41.6,86.13 ; v1(41.38,23.17) 42.48,24.27 42.48,27.63 v1(42.3,27.81) 41.64,28.46 41.64,29.23 ; v1(41.38,23.17) 41.38,17.86 ; v1(41.38,23.17) 41.6,23.4 ; J2#8.4 v1(88.09,85.9) ; v1(88.09,85.9) 89.2,87 89.2,90.36 v1(89.02,90.53) 88.36,91.19 88.36,91.96 ; v1(88.09,85.9) 88.32,86.13 ; R4#8.1 95.79,30.22 v1(95.98,30.03) ; R1#7.1 v1(62.14,93.87) ; R5#5.1 v1(81.69,93.87) ; R4#5.1 72.43,30.22 v1(72.62,30.03) ; 65,29.23 64.05,29.23 C4#4.1 ; 65,29.23 65,28.46 v1(65.66,27.81) 65.84,27.63 65.84,24.27 v1(64.74,23.17) ; 65,29.23 65,29.23 C5#10.1 ; 64.74,17.86 v1(64.74,23.17) ; v1(64.74,23.17) 64.96,23.4 ; R1#8.1 v1(85.5,156.6) ; R1#6.1 v1(62.14,31.14) ; R6#4.1 v1(36.88,93.87) ; 88.36,154.69 87.41,154.69 C4#11.1 ; 88.36,154.69 88.36,154.69 C5#11.1 ; 18.28,91.96 17.33,91.96 C4.1 ; J2#9.4 v1(41.38,148.63) ; v1(41.38,148.63) 41.6,148.86 ; R2#12.1 v1(21.14,31.14) ; R3#10.1 93.12,93.84 ; v1(72.62,92.76) 72.43,92.95 R4#6.1 ; R4#7.1 72.43,155.68 v1(72.62,155.49) ; R2#10.1 v1(91.22,156.6) ; R4#4.1 49.07,92.95 v1(49.26,92.76) ; C4#10.1 87.41,91.96 88.36,91.96 ; R5#9.1 v1(34.97,93.87) ; R2#9.1 v1(44.5,156.6) ; C5#4.1 41.64,29.23 41.64,29.23 ; R4.1 25.71,155.68 v1(25.9,155.49) ; R4#9.1 95.79,92.95 v1(95.98,92.76) ; R1#4.1 v1(38.78,93.87) ; v1(49.26,155.49) 49.07,155.68 R4#10.1 ; R5#4.1 v1(11.61,156.6) ; R3#3.1 46.4,156.57 ; v1(18.02,23.17) 18.24,23.4 ; v1(18.02,23.17) 18.02,17.86 ; R5#12.1 v1(11.61,31.14) ; 88.09,17.86 v1(88.09,23.17) ; v1(88.09,23.17) 88.32,23.4 ; R3.1 23.04,156.57 ; 88.36,91.96 88.36,91.96 C5.1 ; R5#11.1 v1(81.69,156.6) ; R2#8.1 v1(44.5,93.87) ; R2#4.1 v1(67.86,93.87) ; R1#5.1 v1(38.78,156.6) ; R6.1 v1(13.52,93.87) ; R1.1 v1(15.42,156.6) ; R1#2.1 v1(15.42,93.87) ; 18.28,154.69 18.28,154.69 C5#3.1 ; R3#7.1 69.76,156.57 ; R2#2.1 v1(21.14,93.87) ; R5#2.1 v1(11.61,93.87) ; R3#9.1 46.4,31.11 ; R1#10.1 v1(85.5,31.14) ; R1#12.1 v1(15.42,31.14) ; R6#6.1 v1(60.24,31.14) ; R1#9.1 v1(62.14,156.6) ; R2#5.1 v1(67.86,156.6) ; R3#4.1 69.76,31.11 ; R5#3.1 v1(58.33,156.6) ; R2#11.1 v1(21.14,156.6) ; R6#10.1 v1(60.24,156.6) ; R2#3.1 v1(67.86,31.14) ; R5#7.1 v1(34.97,31.14) ; R5#8.1 v1(34.97,156.6) ; R6#11.1 v1(83.6,156.6) ; R3#5.1 69.76,93.84 ; R3#2.1 23.04,93.84 ; R3#12.1 23.04,31.11 ; R6#12.1 v1(13.52,31.14) ; R6#7.1 v1(60.24,93.87) ; R6#3.1 v1(36.88,31.14)
